# Altium PCB OpenCore_Carrier_Board.PcbDoc (part 1 of 5) (continued)
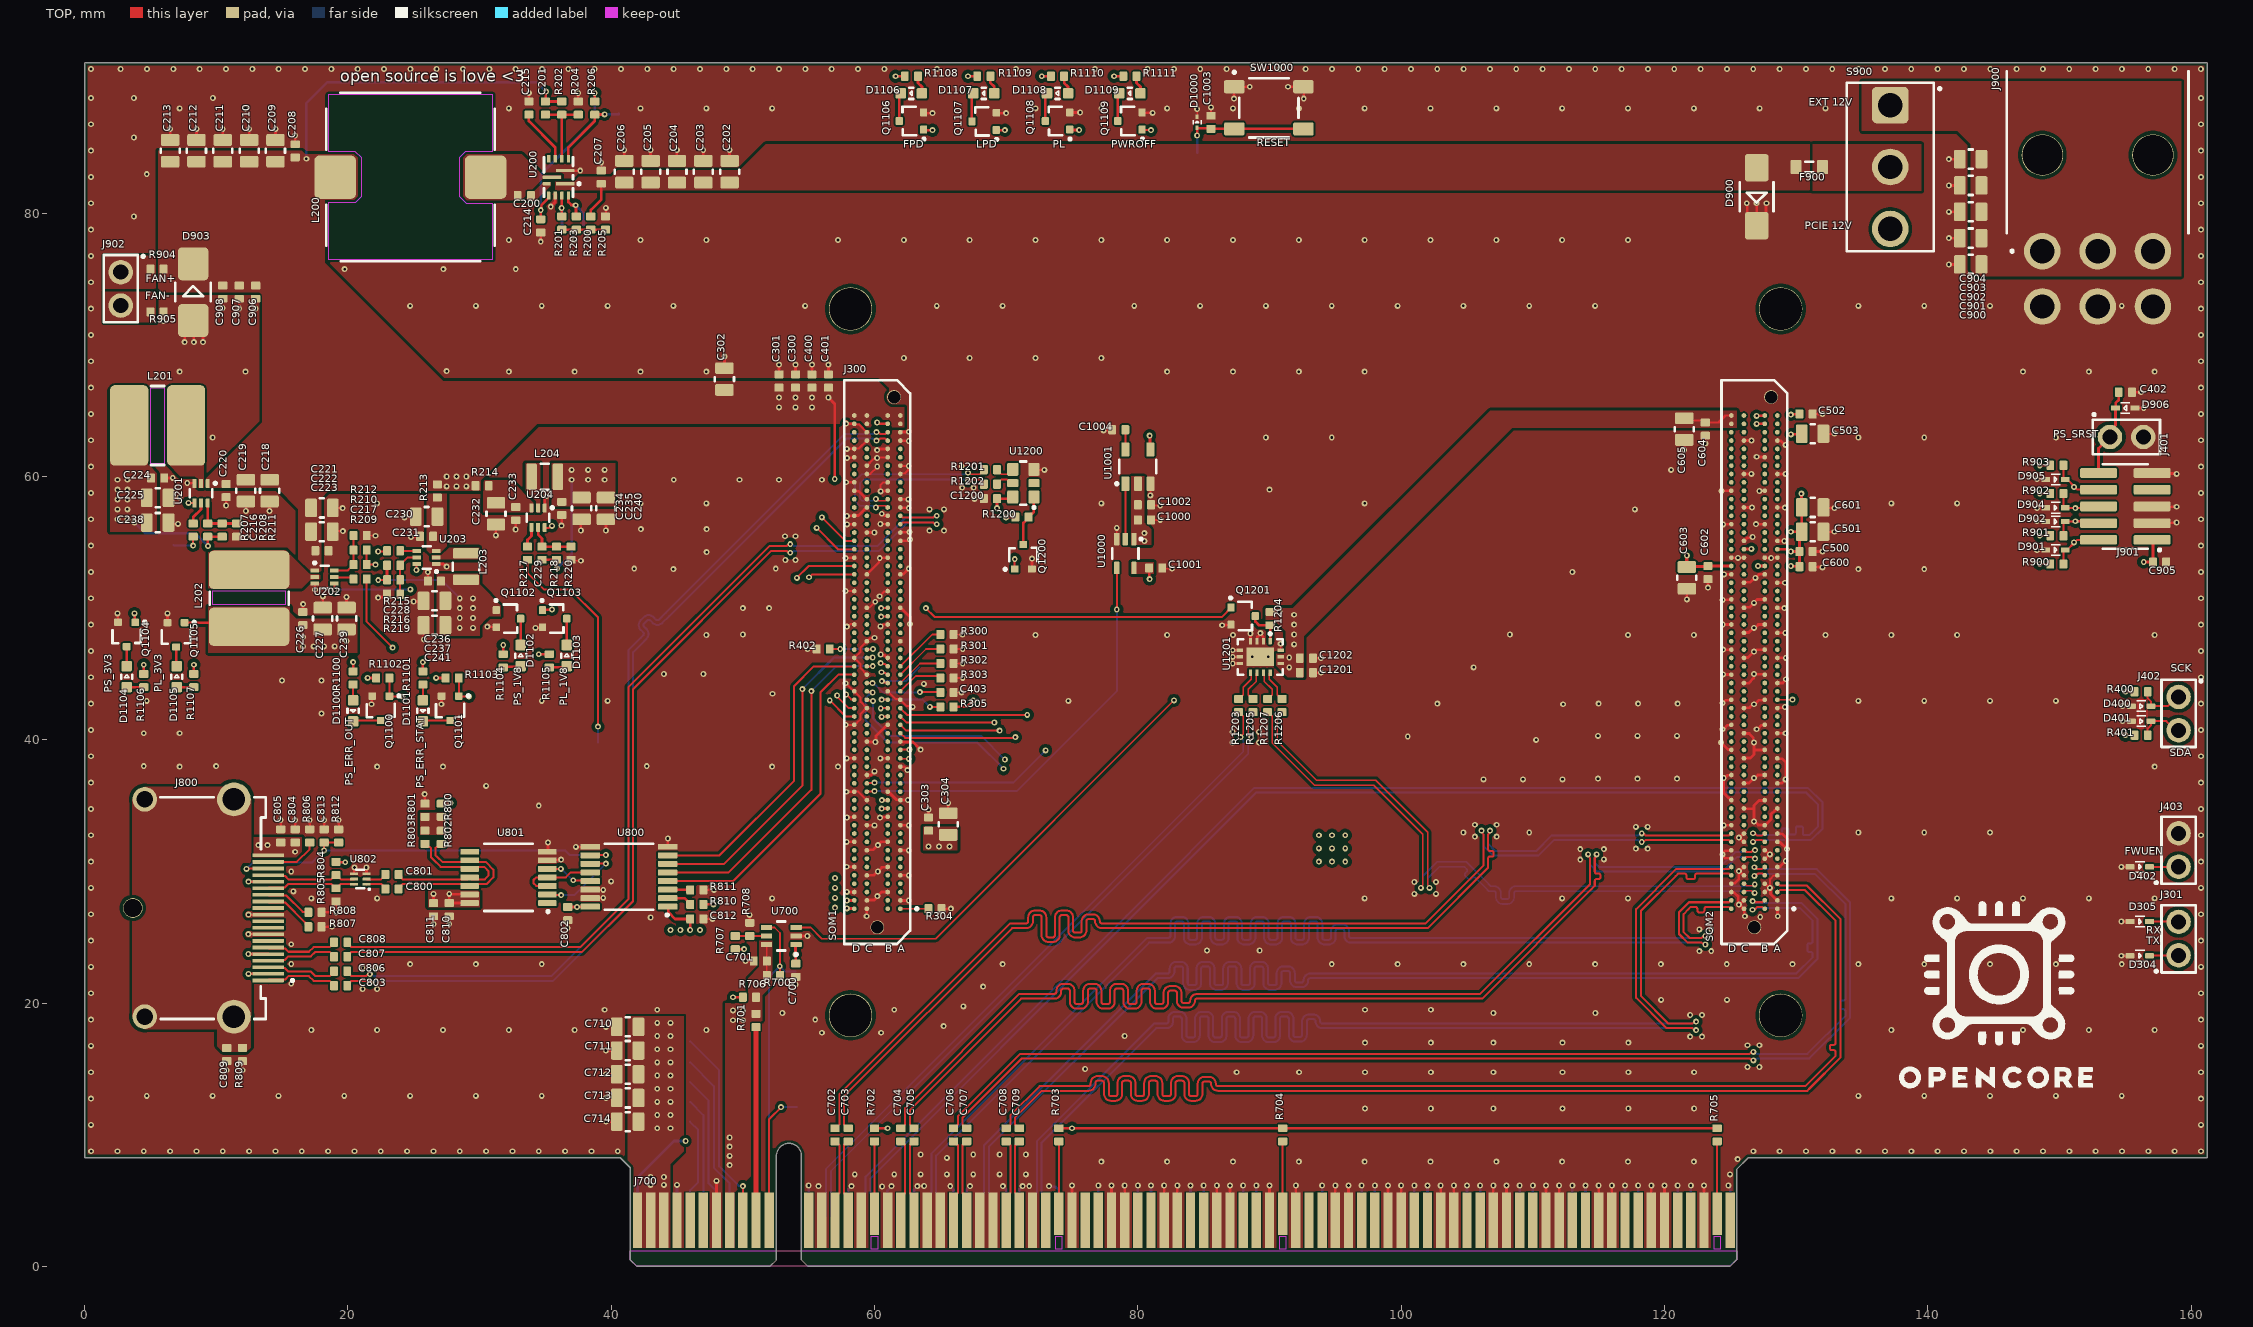
[diagram p0: TOP view]
## Components (designator, comment, footprint, x,y, rotation, side; value= is the part's Value field where it differs from the comment) (continued)
C702 "CAP_0402" CAP0402 57,10 r90 top value=0.1uF
C703 "CAP_0402" CAP0402 58,10 r90 top value=0.1uF
C704 "CAP_0402" CAP0402 62,10 r90 top value=0.1uF
C705 "CAP_0402" CAP0402 63,10 r90 top value=0.1uF
C706 "CAP_0402" CAP0402 66,10 r90 top value=0.1uF
C707 "CAP_0402" CAP0402 67,10 r90 top value=0.1uF
C708 "CAP_0402" CAP0402 70,10 r90 top value=0.1uF
C709 "CAP_0402" CAP0402 71,10 r90 top value=0.1uF
C710 "CAP_0805" CAP0805 41.25,18.2 r180 top value=22uF
C711 "CAP_0805" CAP0805 41.25,16.4 r180 top value=22uF
C712 "CAP_0805" CAP0805 41.25,14.6 r180 top value=22uF
C713 "CAP_0805" CAP0805 41.25,12.8 r180 top value=22uF
C714 "CAP_0805" CAP0805 41.25,11 r180 top value=22uF
C800 "CAP_0402" CAP0402 23.35,28.675 r180 top value=0.1uF
C801 "CAP_0402" CAP0402 23.35,29.775 r180 top value=0.1uF
C802 "CAP_0402" CAP0402 36.7,26.8 r270 top value=0.1uF
C803 "CAP_0402" CAP0402 19.45,21.325 r180 top value=0.1uF
C804 "CAP_0402" CAP0402 16,32.7 r90 top value=0.1uF
C805 "CAP_0402" CAP0402 14.9,32.7 r90 top value=0.1uF
C806 "CAP_0402" CAP0402 19.45,22.425 r180 top value=0.1uF
C807 "CAP_0402" CAP0402 19.45,23.525 r180 top value=0.1uF
C808 "CAP_0402" CAP0402 19.45,24.625 r180 top value=0.1uF
C809 "CAP_0402" CAP0402 10.8,16.1 r270 top value=0.1uF
C810 "CAP_0402" CAP0402 27.7,27.1 r270 top value=0.1uF
C811 "CAP_0402" CAP0402 26.5,27.1 r270 top value=0.1uF
C812 "CAP_0402" CAP0402 46.5,26.4 r0 top value=0.1uF
C813 "CAP_0402" CAP0402 18.2,32.7 r90 top value=0.1uF
C900 "CAP_0805" CAP0805 143.252,76.106 r180 top value=22uF
C901 "CAP_0805" CAP0805 143.252,78.106 r180 top value=22uF
C902 "CAP_0805" CAP0805 143.252,80.106 r180 top value=22uF
C903 "CAP_0805" CAP0805 143.252,82.106 r180 top value=22uF
C904 "CAP_0805" CAP0805 143.252,84.106 r180 top value=22uF
C905 "CAP_0402" CAP0402 157.6,53.5 r0 top value=0.1uF
C906 "CAP_0402" CAP0402 13,74 r270 top value=0.1uF
C907 "CAP_0402" CAP0402 11.75,74 r270 top value=0.1uF
C908 "CAP_0402" CAP0402 10.5,74 r270 top value=0.1uF
C1000 "CAP_0402" CAP0402 80.5,56.7 r0 top value=0.1uF
C1001 "CAP_0402" CAP0402 81.35,53.05 r0 top value=0.1uF
C1002 "CAP_0402" CAP0402 80.5,57.85 r0 top value=0.1uF
C1003 "CAP_0402" CAP0402 85.55,86.9 r90 top value=0.1uF
C1004 "CAP_0402" CAP0402 78.55,63.55 r180 top value=47nF
C1200 "CAP_0402" CAP0402 68.805,58.317 r180 top value=0.1uF
C1201 "CAP_0402" CAP0402 92.8,45.1 r0 top value=0.1uF
C1202 "CAP_0402" CAP0402 92.8,46.2 r0 top value=0.1uF
D304 "ESD321DYAR" TI_SOD523 156.1,23.6 r180 top
D305 "ESD321DYAR" TI_SOD523 156.1,26.2 r180 top
D400 "ESD321DYAR" TI_SOD523 156.199,42.557 r180 top
D401 "ESD321DYAR" TI_SOD523 156.199,41.417 r180 top
D402 "ESD321DYAR" TI_SOD523 156.1,30.355 r180 top
D900 "TVS DIODE 15VWM 24.4VC DO214AC" LITTLEFUSE_DO-2014 127,81.25 r90 top
D901 "ESD321DYAR" TI_SOD523 149.7,54.425 r180 top
D902 "ESD321DYAR" TI_SOD523 149.7,56.575 r180 top
D903 "S1A-13-F" DIODES_SMA 8.25,74 r270 top
D904 "ESD321DYAR" TI_SOD523 149.7,57.625 r180 top
D905 "ESD321DYAR" TI_SOD523 149.7,59.775 r180 top
D906 "ESD321DYAR" TI_SOD523 155,65.2 r0 top
D1000 "ESD9B5.0ST5G" ONSEMI_SOD-923 84.5,86.9 r270 top
D1100 "GENERIC LED - ORANGE" LED_0603 20.4,42.2 r90 top
D1101 "GENERIC LED - ORANGE" LED_0603 25.7,42.2 r90 top
D1102 "GENERIC LED - GREEN" LED_0603 33.125,46.4 r270 top
D1103 "GENERIC LED - GREEN" LED_0603 36.625,46.4 r270 top
D1104 "GENERIC LED - GREEN" LED_0603 3.2,44.8 r270 top
D1105 "GENERIC LED - GREEN" LED_0603 7,44.8 r270 top
D1106 "GENERIC LED - GREEN" LED_0603 62.8,89.1 r0 top
D1107 "GENERIC LED - GREEN" LED_0603 68.3,89.1 r0 top
D1108 "GENERIC LED - GREEN" LED_0603 73.9,89.1 r0 top
D1109 "GENERIC LED - GREEN" LED_0603 79.4,89.1 r0 top
F900 "FUSE_4A_0603" FUSE_0603 131,83.5 r180 top
J300 "KRIA_K26_SOM_CONNECTOR" KRIA_K26_SOM 93.5,45.9 r270 top locked
J301 "M20-9770246" 61300211121 159.05,24.9 r90 top
J401 "M20-9770246" 61300211121 155.1,63 r0 top
J402 "M20-9770246" 61300211121 159.048,41.987 r270 top
J403 "M20-9770246" 61300211121 159.05,31.625 r90 top
J700 "PCIe_EDGE" PCIe 42,3.5 r0 top
J800 "0472720001" 0472720001 6.55,27.225 r270 top locked
J900 "0455580003" 0455580003 152.898,78.664 r0 top
J901 "FTSH-105-01-F-DV-K" FTSH-105-01-F-DV-K-P-TR 155,57.725 r90 top
J902 "M20-9770246" 61300211121 2.75,74.25 r270 top
L200 "IHLP5050CEER1R5M01" IHLP5050CEER1R5M01 24.751,82.733 r180 top
L201 "SDCHA1V6045-2R2-R" SDCHA1V6045-2R2-R 5.553,63.877 r180 top
L202 "SDCHA1V6045-2R2-R" SDCHA1V6045-2R2-R 12.5,50.75 r270 top
L203 "DFE252012F-1R0M" IND_2520 28.978,53.154 r270 top
L204 "DFE252012F-1R0M" IND_2520 34.95,59.975 r0 top
Q1100 "BSS138PW,115" NEXPERIA_SOT323 22.5,42.388 r270 top
Q1101 "BSS138PW,115" NEXPERIA_SOT323 27.774,42.388 r270 top
Q1102 "BSS138PW,115" NEXPERIA_SOT323 32.2,49.2 r0 top
Q1103 "BSS138PW,115" NEXPERIA_SOT323 35.7,49.2 r0 top
Q1104 "BSS138PW,115" NEXPERIA_SOT323 3.2,48 r270 top
Q1105 "BSS138PW,115" NEXPERIA_SOT323 6.95,47.975 r270 top
Q1106 "BSS138PW,115" NEXPERIA_SOT323 62.8,87 r180 top
Q1107 "BSS138PW,115" NEXPERIA_SOT323 68.325,86.975 r180 top
Q1108 "BSS138PW,115" NEXPERIA_SOT323 73.9,87 r180 top
Q1109 "BSS138PW,115" NEXPERIA_SOT323 79.4,87 r180 top
Q1200 "BSS138PW,115" NEXPERIA_SOT323 71.3,53.9 r90 top
Q1201 "BSS138PW,115" NEXPERIA_SOT323 88,49.4 r0 top
R200 "RES_0402" RES0402 38.45,79.25 r270 top
R201 "RES_0402" RES0402 36.251,79.251 r90 top
R202 "RES_0402" RES0402 36.251,87.983 r270 top
R203 "RES_0402" RES0402 37.35,79.25 r90 top
R204 "RES_0402" RES0402 37.501,87.983 r90 top
R205 "RES_0402" RES0402 39.567,79.251 r90 top
R206 "RES_0402" RES0402 38.751,87.983 r270 top
R207 "RES_0402" RES0402 8.253,55.927 r90 top
R208 "RES_0402" RES0402 10.453,55.927 r90 top
R209 "RES_0402" RES0402 20.932,52.211 r180 top
R210 "RES_0402" RES0402 20.932,54.411 r180 top
R211 "RES_0402" RES0402 11.553,55.927 r270 top
R212 "RES_0402" RES0402 20.932,55.511 r0 top
R213 "RES_0402" RES0402 26.8,58.9 r270 top
R214 "RES_0402" RES0402 30.2,59.3 r0 top
R215 "RES_0402" RES0402 23.478,54.354 r0 top
R216 "RES_0402" RES0402 23.478,52.154 r0 top
R217 "RES_0402" RES0402 33.65,54.175 r90 top
R218 "RES_0402" RES0402 35.85,54.175 r90 top
R219 "RES_0402" RES0402 23.478,51.054 r180 top
R220 "RES_0402" RES0402 36.95,54.175 r270 top
R300 "RES_0402" RES0402 65.5,48 r0 top
R301 "RES_0402" RES0402 65.5,46.9 r0 top
R302 "RES_0402" RES0402 65.5,45.8 r0 top
R303 "RES_0402" RES0402 65.5,44.7 r0 top
R304 "RES_0402" RES0402 64.6,27.175 r0 top
R305 "RES_0402" RES0402 65.5,42.5 r180 top
R400 "RES_0402" RES0402 156.2,43.65 r0 top
R401 "RES_0402" RES0402 156.2,40.35 r0 top
R402 "RES_0402" RES0402 56.1,46.9 r180 top
R700 "RES_0402" RES0402 52.325,22.1 r0 top
R701 "RES_0402" RES0402 51,18.681 r90 top
R702 "RES_0402" RES0402 60,10 r90 top
R703 "RES_0402" RES0402 74,10 r90 top
R704 "RES_0402" RES0402 91,10 r90 top
R705 "RES_0402" RES0402 124,10 r90 top
R706 "RES_0402" RES0402 50.5,20.45 r180 top
R707 "RES_0402" RES0402 49.425,24.6 r90 top
R708 "RES_0402" RES0402 50.525,25.6 r90 top
R800 "RES_0402" RES0402 27.1,34.65 r270 top
R801 "RES_0402" RES0402 25.85,34.65 r90 top
R802 "RES_0402" RES0402 27.1,32.6 r270 top
R803 "RES_0402" RES0402 25.85,32.6 r270 top
R804 "RES_0402" RES0402 19.1,30.225 r270 top
R805 "RES_0402" RES0402 19.1,28.225 r270 top
R806 "RES_0402" RES0402 17.1,32.7 r90 top
R807 "RES_0402" RES0402 17.5,25.8 r0 top
R808 "RES_0402" RES0402 17.5,26.9 r0 top
R809 "RES_0402" RES0402 12,16.1 r270 top
R810 "RES_0402" RES0402 46.5,27.5 r180 top
R811 "RES_0402" RES0402 46.5,28.6 r0 top
R812 "RES_0402" RES0402 19.3,32.7 r90 top
R900 "RES_0402" RES0402 149.8,53.35 r0 top
R901 "RES_0402" RES0402 149.8,55.5 r0 top
R902 "RES_0402" RES0402 149.8,58.7 r0 top
R903 "RES_0402" RES0402 149.8,60.85 r0 top
R904 "RES_0402" RES0402 5.5,75.75 r0 top
R905 "RES_0402" RES0402 5.5,72.5 r0 top
R1100 "RES_0402" RES0402 20.4,44.7 r270 top
R1101 "RES_0402" RES0402 25.7,44.7 r270 top
R1102 "RES_0402" RES0402 22.65,44.7 r0 top
R1103 "RES_0402" RES0402 27.924,44.7 r0 top
R1104 "RES_0402" RES0402 31.8,46 r270 top
R1105 "RES_0402" RES0402 35.3,46 r270 top
R1106 "RES_0402" RES0402 4.5,44.5 r270 top
R1107 "RES_0402" RES0402 8.3,44.5 r270 top
R1108 "RES_0402" RES0402 62.8,90.4 r0 top
R1109 "RES_0402" RES0402 68.3,90.4 r0 top
R1110 "RES_0402" RES0402 73.9,90.4 r0 top
R1111 "RES_0402" RES0402 79.4,90.4 r0 top
R1200 "RES_0402" RES0402 71.205,56.917 r0 top
R1201 "RES_0402" RES0402 68.805,60.517 r180 top
R1202 "RES_0402" RES0402 68.805,59.417 r180 top
R1203 "RES_0402" RES0402 87.65,42.6 r270 top
R1204 "RES_0402" RES0402 90.05,49.2 r270 top
R1205 "RES_0402" RES0402 88.75,42.6 r270 top
R1206 "RES_0402" RES0402 90.95,42.6 r270 top
R1207 "RES_0402" RES0402 89.85,42.6 r270 top
S900 "SW_SLIDE_TOGGLE" 500SSP1S2M2QEA 137.15,83.506 r270 top
SW1000 "PTS_647_SN50_SMTR2_LFS" TACTILE_SW_4.5MM 89.95,88 r0 top
TP200 "1mm Round Pad Testpoint" TP_1MM 36.3,79.1 r0 bottom
TP201 "1mm Round Pad Testpoint" TP_1MM 37.9,79.1 r0 bottom
TP202 "1mm Round Pad Testpoint" TP_1MM 6.775,54.8 r0 bottom
TP203 "1mm Round Pad Testpoint" TP_1MM 39,39.8 r90 bottom
TP204 "1mm Round Pad Testpoint" TP_1MM 40.574,87.526 r90 bottom
TP300 "1mm Round Pad Testpoint" TP_1MM 63.4,45.5 r0 bottom
TP400 "1mm Round Pad Testpoint" TP_1MM 56.4,46.9 r90 bottom
TP700 "1mm Round Pad Testpoint" TP_1MM 46,11 r270 bottom
TP701 "1mm Round Pad Testpoint" TP_1MM 46,12.5 r270 bottom
TP702 "1mm Round Pad Testpoint" TP_1MM 46,14 r270 bottom
TP703 "1mm Round Pad Testpoint" TP_1MM 46,15.5 r270 bottom
TP704 "1mm Round Pad Testpoint" TP_1MM 46,17.1 r180 bottom
TP705 "1mm Round Pad Testpoint" TP_1MM 54.1,12.1 r180 bottom
TP706 "2mm Round Pad Testpoint" TP_2MM 50,15.5 r90 bottom
TP707 "2mm Round Pad Testpoint" TP_2MM 32.5,14.8 r180 bottom
TP709 "1mm Round Pad Testpoint" TP_1MM 54,22.4 r90 bottom
TP1000 "1mm Round Pad Testpoint" TP_1MM 84.5,84.6 r90 bottom
U200 "TPS51386RJNR" TI_RJN0012A_POWERVQFN12 36.001,82.733 r180 top
U201 "TPS563257DRLR" TI_SOT6_DRL0006A 8.853,58.727 r270 top
U202 "TPS563257DRLR" TI_SOT6_DRL0006A 18.232,52.361 r0 top
U203 "TPS62A01ADRL" TI_SOT6_DRL0006A 25.978,53.854 r180 top
U204 "TPS62A01ADRL" TI_SOT6_DRL0006A 34.45,56.875 r270 top
U700 "74LVC1T45GW,125" NEXPERIA_TSSOP6 52.925,25.1 r180 top
U800 "74AVC4T245PW,118" SOP65P640X110-16N 41.35,29.6 r180 top
U801 "SN65LVDS180PWR" TI_TSSOP14_PW 32.2,29.55 r180 top
U802 "824012823" 824012823 20.95,29.425 r90 top
U1000 "SN74LXC1T14DCKR" TI_SC70_DCK0005A 79.05,54.15 r270 top
U1001 "TPS3840PH30DBVR" TI_SOT23_DBV0005A 80,60.75 r90 top
U1200 "DSC1123CI1-027.0000" MICROCHIP_VDFN-6_H5A 71.305,59.492 r90 top
U1201 "DSC557-0344FI0T" MICROCHIP_QFN2532-14 89.3,46.3 r270 top

## Footprints (in the part's own frame and the unit in brackets; to place one, negate y for a bottom-side part, rotate by r counter-clockwise, add the part's x,y. Pads: shape width x height; smd on the part's side, far side on the other; paste and mask are expansions set on the pad)
500SSP1S2M2QEA [mm]
  rrect25% 2.775x2.775 hole 1.85: 1(-4.7,0)
  round 2.775 hole 1.85: 2(0,0) 3(4.7,0)
  silkscreen extent -6.4,-3.3 6.4,3.85, body extent -6.34,-3.3 6.36,3.3, height 16.19
0455580003 [mm]
  round 2.775 hole 1.85: 1(-4.2,-1.55) 2(0,-1.55) 3(4.2,-1.55) 4(-4.2,-5.75) 5(0,-5.75) 6(4.2,-5.75)
  round 3.15 hole 3.05 unplated: MH1(-4.2,5.75) MH2(4.2,5.75)
  silkscreen extent -6.9,-1.65 6.9,12.1, body extent -6.9,-6.57 6.9,12.35, height 10.1
0472720001 [mm]
  rrect25% 0.28x2.4 smd mask+0.05: 1(5.5,7.4) 2(5,7.4) 3(4.5,7.4) 4(4,7.4) 5(3.5,7.4) 6(3,7.4) 7(2.5,7.4) 8(2,7.4) 9(1.5,7.4) 10(1,7.4) 11(0.5,7.4) 12(0,7.4) 13(-0.5,7.4) 14(-1,7.4) 15(-1.5,7.4) 16(-2,7.4) 17(-2.5,7.4) 18(-3,7.4) 19(-3.5,7.4) 20(-4,7.4)
  round 1.5 hole 1.4 unplated: MH5(0,-2.88)
  round 2.565 hole 1.71: SH1(8.25,4.8) SH2(-8.25,4.8)
  round 1.875 hole 1.25: SH3(8.25,-1.98) SH4(-8.25,-1.98)
  silkscreen extent -8.43,-0.8 8.43,9.35, body extent -8.9,-7.13 8.89,7.76, height 6.63
824012823 [mm]
  rrect25% 0.2x0.6 smd mask+0.05: 1(-0.4,-0.475) 2(0,-0.475) 3(0.4,-0.475) 4(0.4,0.475) 5(0,0.475) 6(-0.4,0.475)
  silkscreen extent -0.82,-0.72 0.7,0.3, body extent -0.6,-0.5 0.6,0.5, height 0.45
61300211121 [mm] "CONN HEADER VERT 2POS 2.54MM"
  oval 1.86x1.85 hole 1.15: 1(-1.27,0) 2(1.27,0)
  silkscreen extent -2.57,-1.3 2.53,1.8, body extent -2.54,-1.27 2.54,1.27, height 8.55
CAP0402 [mm] "Chip Capacitor, Body 1x0.5mm, Height 0.35mm, IPC Medium Density"
  rrect25% 0.6x0.7 smd: 1(-0.5,0) 2(0.5,0)
  body extent -0.53,-0.28 0.52,0.27, height 0.54
CAP0805 [mm] "Chip Capacitor, Body 2.0x1.2mm, Height 0.45mm, IPC Medium Density"
  rrect25% 0.9x1.4 smd: 1(-0.825,0) 2(0.825,0)
  silkscreen extent -0.15,-0.72 0.15,0.72, body extent -1.1,-0.73 1.1,0.72, height 1.39
DIODES_SMA [mm]
  rrect25% 2.5x2.3 smd: A(2.15,0) K(-2.15,0)
  silkscreen extent -0.7,-1.35 0.7,1.35, body extent -2.8,-1.46 2.8,1.46, height 2.35
FTSH-105-01-F-DV-K-P-TR [mil] "Samtec programming header 10 positions"
  rrect25% 29x110 smd: 1(-100,-80) 2(-100,80) 3(-50,-80) 4(-50,80) 5(0,-80) 6(0,80) 7(50,-80) 8(50,80) 9(100,-80) 10(100,80)
  silkscreen extent -134,-106 126,67, body extent -125,-175 125,115, height 276
FUSE_0603 [mm] "Chip Fuse, Body 1.6x0.81mm"
  rrect25% 0.85x1.09 smd: 1(-1.005,0) 2(1.005,0)
  silkscreen extent -0.3,-0.4 0.3,0.4, body extent -0.8,-0.38 0.8,0.38, height 0.75
IHLP5050CEER1R5M01 [mm] "Vishay Dale Inductor - 13.2mm x 12.9mm"
  rrect25% 3.175x3.3 smd: 1(-5.715,0) 2(5.715,0)
  silkscreen extent -6.4,-6.4 6.4,6.37, body extent -6.58,-6.39 6.59,6.37, height 3.4
IND_2520 [mm]
  rrect25% 0.8x2 smd: 1(-1,0) 2(1,0)
  silkscreen extent -0.3,-1 0.3,1, body extent -1.25,-1 1.25,1, height 1.21
KRIA_K26_SOM [mil]
  round 14.02 smd mask+1.97: S1_A1(737.5,-1241.61) S1_A2(712.5,-1241.61) S1_A3(687.5,-1241.61) S1_A4(662.5,-1241.61) S1_A5(637.5,-1241.61) S1_A6(612.5,-1241.61) S1_A7(587.5,-1241.61) S1_A8(562.5,-1241.61) S1_A9(537.5,-1241.61) S1_A10(512.5,-1241.61) S1_A11(487.5,-1241.61) S1_A12(462.5,-1241.61) S1_A13(437.5,-1241.61) S1_A14(412.5,-1241.61) S1_A15(387.5,-1241.61) S1_A16(362.5,-1241.61) S1_A17(337.5,-1241.61) S1_A18(312.5,-1241.61) S1_A19(287.5,-1241.61) S1_A20(262.5,-1241.61) S1_A21(237.5,-1241.61) S1_A22(212.5,-1241.61) S1_A23(187.5,-1241.61) S1_A24(162.5,-1241.61) S1_A25(137.5,-1241.61) S1_A26(112.5,-1241.61) S1_A27(87.5,-1241.61) S1_A28(62.5,-1241.61) S1_A29(37.5,-1241.61) S1_A30(12.5,-1241.61) S1_A31(-12.5,-1241.61) S1_A32(-37.5,-1241.61) S1_A33(-62.5,-1241.61) S1_A34(-87.5,-1241.61) S1_A35(-112.5,-1241.61) S1_A36(-137.5,-1241.61) S1_A37(-162.5,-1241.61) S1_A38(-187.5,-1241.61) S1_A39(-212.5,-1241.61) S1_A40(-237.5,-1241.61) S1_A41(-262.5,-1241.61) S1_A42(-287.5,-1241.61) S1_A43(-312.5,-1241.61) S1_A44(-337.5,-1241.61) S1_A45(-362.5,-1241.61) S1_A46(-387.5,-1241.61) S1_A47(-412.5,-1241.61) S1_A48(-437.5,-1241.61) S1_A49(-462.5,-1241.61) S1_A50(-487.5,-1241.61) S1_A51(-512.5,-1241.61) S1_A52(-537.5,-1241.61) S1_A53(-562.5,-1241.61) S1_A54(-587.5,-1241.61) S1_A55(-612.5,-1241.61) S1_A56(-637.5,-1241.61) S1_A57(-662.5,-1241.61) S1_A58(-687.5,-1241.61) S1_A59(-712.5,-1241.61) S1_A60(-737.5,-1241.61) S1_B1(737.5,-1279.41) S1_B2(712.5,-1279.41) S1_B3(687.5,-1279.41) S1_B4(662.5,-1279.41) S1_B5(637.5,-1279.41) S1_B6(612.5,-1279.41) S1_B7(587.5,-1279.41) S1_B8(562.5,-1279.41) S1_B9(537.5,-1279.41) S1_B10(512.5,-1279.41) S1_B11(487.5,-1279.41) S1_B12(462.5,-1279.41) S1_B13(437.5,-1279.41) S1_B14(412.5,-1279.41) S1_B15(387.5,-1279.41) S1_B16(362.5,-1279.41) S1_B17(337.5,-1279.41) S1_B18(312.5,-1279.41) S1_B19(287.5,-1279.41) S1_B20(262.5,-1279.41) S1_B21(237.5,-1279.41) S1_B22(212.5,-1279.41) S1_B23(187.5,-1279.41) S1_B24(162.5,-1279.41) S1_B25(137.5,-1279.41) S1_B26(112.5,-1279.41) S1_B27(87.5,-1279.41) S1_B28(62.5,-1279.41) S1_B29(37.5,-1279.41) S1_B30(12.5,-1279.41) S1_B31(-12.5,-1279.41) S1_B32(-37.5,-1279.41) S1_B33(-62.5,-1279.41) S1_B34(-87.5,-1279.41) S1_B35(-112.5,-1279.41) S1_B36(-137.5,-1279.41) S1_B37(-162.5,-1279.41) S1_B38(-187.5,-1279.41) S1_B39(-212.5,-1279.41) S1_B40(-237.5,-1279.41) S1_B41(-262.5,-1279.41) S1_B42(-287.5,-1279.41) S1_B43(-312.5,-1279.41) S1_B44(-337.5,-1279.41) S1_B45(-362.5,-1279.41) S1_B46(-387.5,-1279.41) S1_B47(-412.5,-1279.41) S1_B48(-437.5,-1279.41) S1_B49(-462.5,-1279.41) S1_B50(-487.5,-1279.41) S1_B51(-512.5,-1279.41) S1_B52(-537.5,-1279.41) S1_B53(-562.5,-1279.41) S1_B54(-587.5,-1279.41) S1_B55(-612.5,-1279.41) S1_B56(-637.5,-1279.41) S1_B57(-662.5,-1279.41) S1_B58(-687.5,-1279.41) S1_B59(-712.5,-1279.41) S1_B60(-737.5,-1279.41) S1_C1(737.5,-1341.61) S1_C2(712.5,-1341.61) S1_C3(687.5,-1341.61) S1_C4(662.5,-1341.61) S1_C5(637.5,-1341.61) S1_C6(612.5,-1341.61) S1_C7(587.5,-1341.61) S1_C8(562.5,-1341.61) S1_C9(537.5,-1341.61) S1_C10(512.5,-1341.61) S1_C11(487.5,-1341.61) S1_C12(462.5,-1341.61) S1_C13(437.5,-1341.61) S1_C14(412.5,-1341.61) S1_C15(387.5,-1341.61) S1_C16(362.5,-1341.61) S1_C17(337.5,-1341.61) S1_C18(312.5,-1341.61) S1_C19(287.5,-1341.61) S1_C20(262.5,-1341.61) S1_C21(237.5,-1341.61) S1_C22(212.5,-1341.61) S1_C23(187.5,-1341.61) S1_C24(162.5,-1341.61) S1_C25(137.5,-1341.61) S1_C26(112.5,-1341.61) S1_C27(87.5,-1341.61) S1_C28(62.5,-1341.61) S1_C29(37.5,-1341.61) S1_C30(12.5,-1341.61) S1_C31(-12.5,-1341.61) S1_C32(-37.5,-1341.61) S1_C33(-62.5,-1341.61) S1_C34(-87.5,-1341.61) S1_C35(-112.5,-1341.61) S1_C36(-137.5,-1341.61) S1_C37(-162.5,-1341.61) S1_C38(-187.5,-1341.61) S1_C39(-212.5,-1341.61) S1_C40(-237.5,-1341.61) S1_C41(-262.5,-1341.61) S1_C42(-287.5,-1341.61) S1_C43(-312.5,-1341.61) S1_C44(-337.5,-1341.61) S1_C45(-362.5,-1341.61) S1_C46(-387.5,-1341.61) S1_C47(-412.5,-1341.61) S1_C48(-437.5,-1341.61) S1_C49(-462.5,-1341.61) S1_C50(-487.5,-1341.61) S1_C51(-512.5,-1341.61) S1_C52(-537.5,-1341.61) S1_C53(-562.5,-1341.61) S1_C54(-587.5,-1341.61) S1_C55(-612.5,-1341.61) S1_C56(-637.5,-1341.61) S1_C57(-662.5,-1341.61) S1_C58(-687.5,-1341.61) S1_C59(-712.5,-1341.61) S1_C60(-737.5,-1341.61) S1_D1(737.5,-1379.41) S1_D2(712.5,-1379.41) S1_D3(687.5,-1379.41) S1_D4(662.5,-1379.41) S1_D5(637.5,-1379.41) S1_D6(612.5,-1379.41) S1_D7(587.5,-1379.41) S1_D8(562.5,-1379.41) S1_D9(537.5,-1379.41) S1_D10(512.5,-1379.41) S1_D11(487.5,-1379.41) S1_D12(462.5,-1379.41) S1_D13(437.5,-1379.41) S1_D14(412.5,-1379.41) S1_D15(387.5,-1379.41) S1_D16(362.5,-1379.41) S1_D17(337.5,-1379.41) S1_D18(312.5,-1379.41) S1_D19(287.5,-1379.41) S1_D20(262.5,-1379.41) S1_D21(237.5,-1379.41) S1_D22(212.5,-1379.41) S1_D23(187.5,-1379.41) S1_D24(162.5,-1379.41) S1_D25(137.5,-1379.41) S1_D26(112.5,-1379.41) S1_D27(87.5,-1379.41) S1_D28(62.5,-1379.41) S1_D29(37.5,-1379.41) S1_D30(12.5,-1379.41) S1_D31(-12.5,-1379.41) S1_D32(-37.5,-1379.41) S1_D33(-62.5,-1379.41) S1_D34(-87.5,-1379.41) S1_D35(-112.5,-1379.41) S1_D36(-137.5,-1379.41) S1_D37(-162.5,-1379.41) S1_D38(-187.5,-1379.41) S1_D39(-212.5,-1379.41) S1_D40(-237.5,-1379.41) S1_D41(-262.5,-1379.41) S1_D42(-287.5,-1379.41) S1_D43(-312.5,-1379.41) S1_D44(-337.5,-1379.41) S1_D45(-362.5,-1379.41) S1_D46(-387.5,-1379.41) S1_D47(-412.5,-1379.41) S1_D48(-437.5,-1379.41) S1_D49(-462.5,-1379.41) S1_D50(-487.5,-1379.41) S1_D51(-512.5,-1379.41) S1_D52(-537.5,-1379.41) S1_D53(-562.5,-1379.41) S1_D54(-587.5,-1379.41) S1_D55(-612.5,-1379.41) S1_D56(-637.5,-1379.41) S1_D57(-662.5,-1379.41) S1_D58(-687.5,-1379.41) S1_D59(-712.5,-1379.41) S1_D60(-737.5,-1379.41) S2_A1(737.5,1380.91) S2_A2(712.5,1380.91) S2_A3(687.5,1380.91) S2_A4(662.5,1380.91) S2_A5(637.5,1380.91) S2_A6(612.5,1380.91) S2_A7(587.5,1380.91) S2_A8(562.5,1380.91) S2_A9(537.5,1380.91) S2_A10(512.5,1380.91) S2_A11(487.5,1380.91) S2_A12(462.5,1380.91) S2_A13(437.5,1380.91) S2_A14(412.5,1380.91) S2_A15(387.5,1380.91) S2_A16(362.5,1380.91) S2_A17(337.5,1380.91) S2_A18(312.5,1380.91) S2_A19(287.5,1380.91) S2_A20(262.5,1380.91) S2_A21(237.5,1380.91) S2_A22(212.5,1380.91) S2_A23(187.5,1380.91) S2_A24(162.5,1380.91) S2_A25(137.5,1380.91) S2_A26(112.5,1380.91) S2_A27(87.5,1380.91) S2_A28(62.5,1380.91) S2_A29(37.5,1380.91) S2_A30(12.5,1380.91) S2_A31(-12.5,1380.91) S2_A32(-37.5,1380.91) S2_A33(-62.5,1380.91) S2_A34(-87.5,1380.91) S2_A35(-112.5,1380.91) S2_A36(-137.5,1380.91) S2_A37(-162.5,1380.91) S2_A38(-187.5,1380.91) S2_A39(-212.5,1380.91) S2_A40(-237.5,1380.91) S2_A41(-262.5,1380.91) S2_A42(-287.5,1380.91) S2_A43(-312.5,1380.91) S2_A44(-337.5,1380.91) S2_A45(-362.5,1380.91) S2_A46(-387.5,1380.91) S2_A47(-412.5,1380.91) S2_A48(-437.5,1380.91) S2_A49(-462.5,1380.91) S2_A50(-487.5,1380.91) S2_A51(-512.5,1380.91) S2_A52(-537.5,1380.91) S2_A53(-562.5,1380.91) S2_A54(-587.5,1380.91) S2_A55(-612.5,1380.91) S2_A56(-637.5,1380.91) S2_A57(-662.5,1380.91) S2_A58(-687.5,1380.91) S2_A59(-712.5,1380.91) S2_A60(-737.5,1380.91) S2_B1(737.5,1343.11) S2_B2(712.5,1343.11) S2_B3(687.5,1343.11) S2_B4(662.5,1343.11) S2_B5(637.5,1343.11) S2_B6(612.5,1343.11) S2_B7(587.5,1343.11) S2_B8(562.5,1343.11) S2_B9(537.5,1343.11) S2_B10(512.5,1343.11) S2_B11(487.5,1343.11) S2_B12(462.5,1343.11) S2_B13(437.5,1343.11) S2_B14(412.5,1343.11) S2_B15(387.5,1343.11) S2_B16(362.5,1343.11) S2_B17(337.5,1343.11) S2_B18(312.5,1343.11) S2_B19(287.5,1343.11) S2_B20(262.5,1343.11) S2_B21(237.5,1343.11) S2_B22(212.5,1343.11) S2_B23(187.5,1343.11) S2_B24(162.5,1343.11) S2_B25(137.5,1343.11) S2_B26(112.5,1343.11) S2_B27(87.5,1343.11) S2_B28(62.5,1343.11) S2_B29(37.5,1343.11) S2_B30(12.5,1343.11) S2_B31(-12.5,1343.11) S2_B32(-37.5,1343.11) S2_B33(-62.5,1343.11) S2_B34(-87.5,1343.11) S2_B35(-112.5,1343.11) S2_B36(-137.5,1343.11) S2_B37(-162.5,1343.11) S2_B38(-187.5,1343.11) S2_B39(-212.5,1343.11) S2_B40(-237.5,1343.11) S2_B41(-262.5,1343.11) S2_B42(-287.5,1343.11) S2_B43(-312.5,1343.11) S2_B44(-337.5,1343.11) S2_B45(-362.5,1343.11) S2_B46(-387.5,1343.11) S2_B47(-412.5,1343.11) S2_B48(-437.5,1343.11) S2_B49(-462.5,1343.11) S2_B50(-487.5,1343.11) S2_B51(-512.5,1343.11) S2_B52(-537.5,1343.11) S2_B53(-562.5,1343.11) S2_B54(-587.5,1343.11) S2_B55(-612.5,1343.11) S2_B56(-637.5,1343.11) S2_B57(-662.5,1343.11) S2_B58(-687.5,1343.11) S2_B59(-712.5,1343.11) S2_B60(-737.5,1343.11) S2_C1(737.5,1280.91) S2_C2(712.5,1280.91) S2_C3(687.5,1280.91) S2_C4(662.5,1280.91) S2_C5(637.5,1280.91) S2_C6(612.5,1280.91) S2_C7(587.5,1280.91) S2_C8(562.5,1280.91) S2_C9(537.5,1280.91) S2_C10(512.5,1280.91) S2_C11(487.5,1280.91) S2_C12(462.5,1280.91) S2_C13(437.5,1280.91) S2_C14(412.5,1280.91) S2_C15(387.5,1280.91) S2_C16(362.5,1280.91) S2_C17(337.5,1280.91) S2_C18(312.5,1280.91) S2_C19(287.5,1280.91) S2_C20(262.5,1280.91) S2_C21(237.5,1280.91) S2_C22(212.5,1280.91) S2_C23(187.5,1280.91) S2_C24(162.5,1280.91) S2_C25(137.5,1280.91) S2_C26(112.5,1280.91) S2_C27(87.5,1280.91) S2_C28(62.5,1280.91) S2_C29(37.5,1280.91) S2_C30(12.5,1280.91) S2_C31(-12.5,1280.91) S2_C32(-37.5,1280.91) S2_C33(-62.5,1280.91) S2_C34(-87.5,1280.91) S2_C35(-112.5,1280.91) S2_C36(-137.5,1280.91) S2_C37(-162.5,1280.91) S2_C38(-187.5,1280.91) S2_C39(-212.5,1280.91) S2_C40(-237.5,1280.91) S2_C41(-262.5,1280.91) S2_C42(-287.5,1280.91) S2_C43(-312.5,1280.91) S2_C44(-337.5,1280.91) S2_C45(-362.5,1280.91) S2_C46(-387.5,1280.91) S2_C47(-412.5,1280.91) S2_C48(-437.5,1280.91) S2_C49(-462.5,1280.91) S2_C50(-487.5,1280.91) S2_C51(-512.5,1280.91) S2_C52(-537.5,1280.91) S2_C53(-562.5,1280.91) S2_C54(-587.5,1280.91) S2_C55(-612.5,1280.91) S2_C56(-637.5,1280.91) S2_C57(-662.5,1280.91) S2_C58(-687.5,1280.91) S2_C59(-712.5,1280.91) S2_C60(-737.5,1280.91) S2_D1(737.5,1243.11) S2_D2(712.5,1243.11) S2_D3(687.5,1243.11) S2_D4(662.5,1243.11) S2_D5(637.5,1243.11) S2_D6(612.5,1243.11) S2_D7(587.5,1243.11) S2_D8(562.5,1243.11) S2_D9(537.5,1243.11) S2_D10(512.5,1243.11) S2_D11(487.5,1243.11) S2_D12(462.5,1243.11) S2_D13(437.5,1243.11) S2_D14(412.5,1243.11) S2_D15(387.5,1243.11) S2_D16(362.5,1243.11) S2_D17(337.5,1243.11) S2_D18(312.5,1243.11) S2_D19(287.5,1243.11) S2_D20(262.5,1243.11) S2_D21(237.5,1243.11) S2_D22(212.5,1243.11) S2_D23(187.5,1243.11) S2_D24(162.5,1243.11) S2_D25(137.5,1243.11) S2_D26(112.5,1243.11) S2_D27(87.5,1243.11) S2_D28(62.5,1243.11) S2_D29(37.5,1243.11) S2_D30(12.5,1243.11) S2_D31(-12.5,1243.11) S2_D32(-37.5,1243.11) S2_D33(-62.5,1243.11) S2_D34(-87.5,1243.11) S2_D35(-112.5,1243.11) S2_D36(-137.5,1243.11) S2_D37(-162.5,1243.11) S2_D38(-187.5,1243.11) S2_D39(-212.5,1243.11) S2_D40(-237.5,1243.11) S2_D41(-262.5,1243.11) S2_D42(-287.5,1243.11) S2_D43(-312.5,1243.11) S2_D44(-337.5,1243.11) S2_D45(-362.5,1243.11) S2_D46(-387.5,1243.11) S2_D47(-412.5,1243.11) S2_D48(-437.5,1243.11) S2_D49(-462.5,1243.11) S2_D50(-487.5,1243.11) S2_D51(-512.5,1243.11) S2_D52(-537.5,1243.11) S2_D53(-562.5,1243.11) S2_D54(-587.5,1243.11) S2_D55(-612.5,1243.11) S2_D56(-637.5,1243.11) S2_D57(-662.5,1243.11) S2_D58(-687.5,1243.11) S2_D59(-712.5,1243.11) S2_D60(-737.5,1243.11)
  round 41.34 hole 37.4 mask+1.97: S1_SH1(792.72,-1310.51) S1_SH2(-792.72,-1260.51) S2_SH1(792.72,1312.01) S2_SH2(-792.72,1362.01)
  round 129.92 hole 125.98 mask+1.97: ""(-1056.1,-1390.75) ""(-1056.1,1390.75) ""(1056.1,-1390.75) ""(1056.1,1390.75)
  silkscreen extent -843,-1409 843,1434, body extent -1181,-1516 1181,1516, height 481
LED_0603 [mm]
  rrect25% 0.8x0.8 smd: A(0.8,0) K(-0.8,0)
  silkscreen extent -0.15,-0.43 0.15,0.43, body extent -0.8,-0.4 0.8,0.4, height 0.7
LITTLEFUSE_DO-2014 [mm]
  rrect25% 2.1x1.8 smd: A(2.2,0) K(-2.2,0)
  silkscreen extent -1.1,-1.27 1.1,1.27, body extent -2.64,-1.4 2.64,1.4, height 2.34
MICROCHIP_QFN2532-14 [mm]
  rrect25% 0.5x0.25 smd mask+0.05: 1(-1.2,0.75) 2(-1.2,0.25) 3(-1.2,-0.25) 4(-1.2,-0.75) 8(1.2,-0.75) 9(1.2,-0.25) 10(1.2,0.25) 11(1.2,0.75)
  rrect25% 0.25x0.5 smd mask+0.05: 5(-0.5,-1.55) 6(0,-1.55) 7(0.5,-1.55) 12(0.5,1.55) 13(0,1.55) 14(-0.5,1.55)
  rrect5% 1.4x2.1 smd mask+0.05: 15(0,0)
  silkscreen extent -1.85,-1.7 1.35,1.7, body extent -1.24,-1.6 1.24,1.6, height 0.89
MICROCHIP_VDFN-6_H5A [mm]
  rrect25% 1x0.85 smd mask+0.05: 1(-1.05,-0.8) 3(1.05,-0.8) 4(1.05,0.8) 6(-1.05,0.8)
  rrect25% 0.6x0.85 smd mask+0.05: 2(0,-0.8) 5(0,0.8)
  silkscreen extent -1.95,-0.9 1.65,0.23, body extent -1.6,-1.24 1.6,1.24, height 0.84
NEXPERIA_SOT323 [mm] "SOT323, 3-Leads, Body 2.00x2.10mm, Pitch 0.65mm, IPC Medium Density"
  rrect25% 0.55x0.6 smd: 1(-0.925,0.65) 2(-0.925,-0.65) 3(0.925,0)
  silkscreen extent -1.05,-1.07 0.67,1.48, body extent -1.05,-1.05 1.05,1.05, height 0.96
NEXPERIA_TSSOP6 [mm] "TSOP, 6-Leads, Body 2.00x1.25mm, Pitch 0.65mm, IPC Medium Density"
  rrect25% 0.85x0.4 smd mask+0.05: 1(-1.125,0.65) 2(-1.125,0) 3(-1.125,-0.65) 4(1.125,-0.65) 5(1.125,0) 6(1.125,0.65)
  silkscreen extent -1.22,-1.1 0.3,1.5, body extent -1.05,-1.1 1.05,1.1, height 1.1
ONSEMI_SOD-923 [mm]
  rrect25% 0.36x0.25 smd mask+0.05: A(0.42,0) K(-0.42,0)
  silkscreen extent -0.15,-0.3 0.15,0.3, body extent -0.5,-0.3 0.5,0.3, height 0.41
PCIe [mm]
  rect 0.7x3.2 smd far side: A1(0,0.5)
  rect 0.7x4.2 smd far side: A2(1,0) A3(2,0) A4(3,0) A5(4,0) A6(5,0) A7(6,0) A8(7,0) A9(8,0) A10(9,0) A11(10,0) A12(13,0) A13(14,0) A14(15,0) A15(16,0) A16(17,0) A17(18,0) A18(19,0) A19(20,0) A20(21,0) A21(22,0) A22(23,0) A23(24,0) A24(25,0) A25(26,0) A26(27,0) A27(28,0) A28(29,0) A29(30,0) A30(31,0) A31(32,0) A32(33,0) A33(34,0) A34(35,0) A35(36,0) A36(37,0) A37(38,0) A38(39,0) A39(40,0) A40(41,0) A41(42,0) A42(43,0) A43(44,0) A44(45,0) A45(46,0) A46(47,0) A47(48,0) A48(49,0) A49(50,0) A50(51,0) A51(52,0) A52(53,0) A53(54,0) A54(55,0) A55(56,0) A56(57,0) A57(58,0) A58(59,0) A59(60,0) A60(61,0) A61(62,0) A62(63,0) A63(64,0) A64(65,0) A65(66,0) A66(67,0) A67(68,0) A68(69,0) A69(70,0) A70(71,0) A71(72,0) A72(73,0) A73(74,0) A74(75,0) A75(76,0) A76(77,0) A77(78,0) A78(79,0) A79(80,0) A80(81,0) A81(82,0) A82(83,0)
  rect 0.7x4.2 smd: B1(0,0) B2(1,0) B3(2,0) B4(3,0) B5(4,0) B6(5,0) B7(6,0) B8(7,0) B9(8,0) B10(9,0) B11(10,0) B12(13,0) B13(14,0) B14(15,0) B15(16,0) B16(17,0) B18(19,0) B19(20,0) B20(21,0) B21(22,0) B22(23,0) B23(24,0) B24(25,0) B25(26,0) B26(27,0) B27(28,0) B28(29,0) B29(30,0) B30(31,0) B32(33,0) B33(34,0) B34(35,0) B35(36,0) B36(37,0) B37(38,0) B38(39,0) B39(40,0) B40(41,0) B41(42,0) B42(43,0) B43(44,0) B44(45,0) B45(46,0) B46(47,0) B47(48,0) B49(50,0) B50(51,0) B51(52,0) B52(53,0) B53(54,0) B54(55,0) B55(56,0) B56(57,0) B57(58,0) B58(59,0) B59(60,0) B60(61,0) B61(62,0) B62(63,0) B63(64,0) B64(65,0) B65(66,0) B66(67,0) B67(68,0) B68(69,0) B69(70,0) B70(71,0) B71(72,0) B72(73,0) B73(74,0) B74(75,0) B75(76,0) B76(77,0) B77(78,0) B78(79,0) B79(80,0) B80(81,0) B82(83,0)
  rect 0.7x3.2 smd: B17(18,0.5) B31(32,0.5) B48(49,0.5) B81(82,0.5)
RES0402 [mm] "Chip Resistor, Body 1x0.5mm, IPC Medium Density"
  rrect25% 0.6x0.7 smd: 1(-0.5,0) 2(0.5,0)
  body extent -0.5,-0.25 0.5,0.25, height 0.27
SDCHA1V6045-2R2-R [mm] "Eaton 6mm x 6mm"
  rrect25% 2.9x6.12 smd: 1(-2.16,0) 2(2.16,0)
  silkscreen extent -0.5,-3 0.5,3, body extent -3,-3 3,3, height 4.37
SOP65P640X110-16N [mm]
  rrect25% 1.475x0.45 smd mask+0.05: 1(-2.938,2.275) 2(-2.938,1.625) 3(-2.938,0.975) 4(-2.938,0.325) 5(-2.938,-0.325) 6(-2.938,-0.975) 7(-2.938,-1.625) 8(-2.938,-2.275) 9(2.938,-2.275) 10(2.938,-1.625) 11(2.938,-0.975) 12(2.938,-0.325) 13(2.938,0.325) 14(2.938,0.975) 15(2.938,1.625) 16(2.938,2.275)
  silkscreen extent -3,-2.5 1.85,3, body extent -3.21,-2.52 3.21,2.48, height 0.98
TACTILE_SW_4.5MM [mm] "CKS Tactile Switch - 4.5mm x 4.5mm"
  rrect25% 1.55x1 smd: 1(-2.625,1.6) 2(2.625,1.6) 3(-2.625,-1.6) 4(2.625,-1.6)
  silkscreen extent -2.72,-2.25 2.25,2.8, body extent -3.25,-2.25 3.25,2.25, height 5.01
TI_RJN0012A_POWERVQFN12 [mm] "12 VQFN-HR"
  rrect25% 1.4x0.25 smd mask+0.05: 1(-0.5,0.5) 2(-0.5,-0.5) 7(0.5,0)
  rrect25% 0.25x0.6 smd mask+0.05: 3(-0.75,-1.4) 4(-0.25,-1.4) 5(0.25,-1.4) 6(0.75,-1.4) 9(0.75,1.4) 10(0.25,1.4) 11(-0.25,1.4) 12(-0.75,1.4)
  rrect25% 0.6x0.25 smd mask+0.05: 8(0.9,0.5)
  silkscreen extent -1.65,-1.5 1.1,1.5, body extent -1,-1.5 1,1.5, height 1.01
TI_SC70_DCK0005A [mm]
  rrect25% 0.95x0.4 smd mask+0.05: 1(-1.1,0.65) 2(-1.1,0) 3(-1.1,-0.65) 4(1.1,-0.65) 5(1.1,0.65)
  silkscreen extent -1.2,-1 0.4,1.3, body extent -1.05,-1 1.05,1, height 1
TI_SOD523 [mm]
  rrect25% 0.67x0.4 smd mask+0.05: A(0.74,0) K(-0.74,0)
  silkscreen extent -0.36,-0.4 0.34,0.4, body extent -0.78,-0.4 0.82,0.4, height 0.77
TI_SOT6_DRL0006A [mm] "SOTFL, 6-Leads, Body 1.60x1.60mm, Pitch 0.50mm, IPC Medium Density"
  rrect25% 0.67x0.3 smd mask+0.05: 1(-0.74,0.5) 2(-0.74,0) 3(-0.74,-0.5) 4(0.74,-0.5) 5(0.74,0) 6(0.74,0.5)
  silkscreen extent -0.85,-0.85 0.3,1.17, body extent -0.8,-0.85 0.8,0.85, height 0.6
TI_SOT23_DBV0005A [mm]
  rrect25% 1.1x0.6 smd: 1(-1.3,0.95) 2(-1.3,0) 3(-1.3,-0.95) 4(1.3,-0.95) 5(1.3,0.95)
  silkscreen extent -1.4,-1.4 0.5,1.7, body extent -1.4,-1.45 1.4,1.45, height 1.2